# Altium PCB Stabilizer_Pounder.PcbDoc (part 4 of 7)
Units mm, origin at the board's own origin, x right, y up, seen from the top; angles counter-clockwise.
Board outline 113.55 x 100 mm, 4 copper layers (Top, P2, L3, Bottom Layer), stack 1.579 mm thick; 591 components, 344 nets, 1737 pads, 984 vias.
Unrouted connection lines stored in the file: 2.
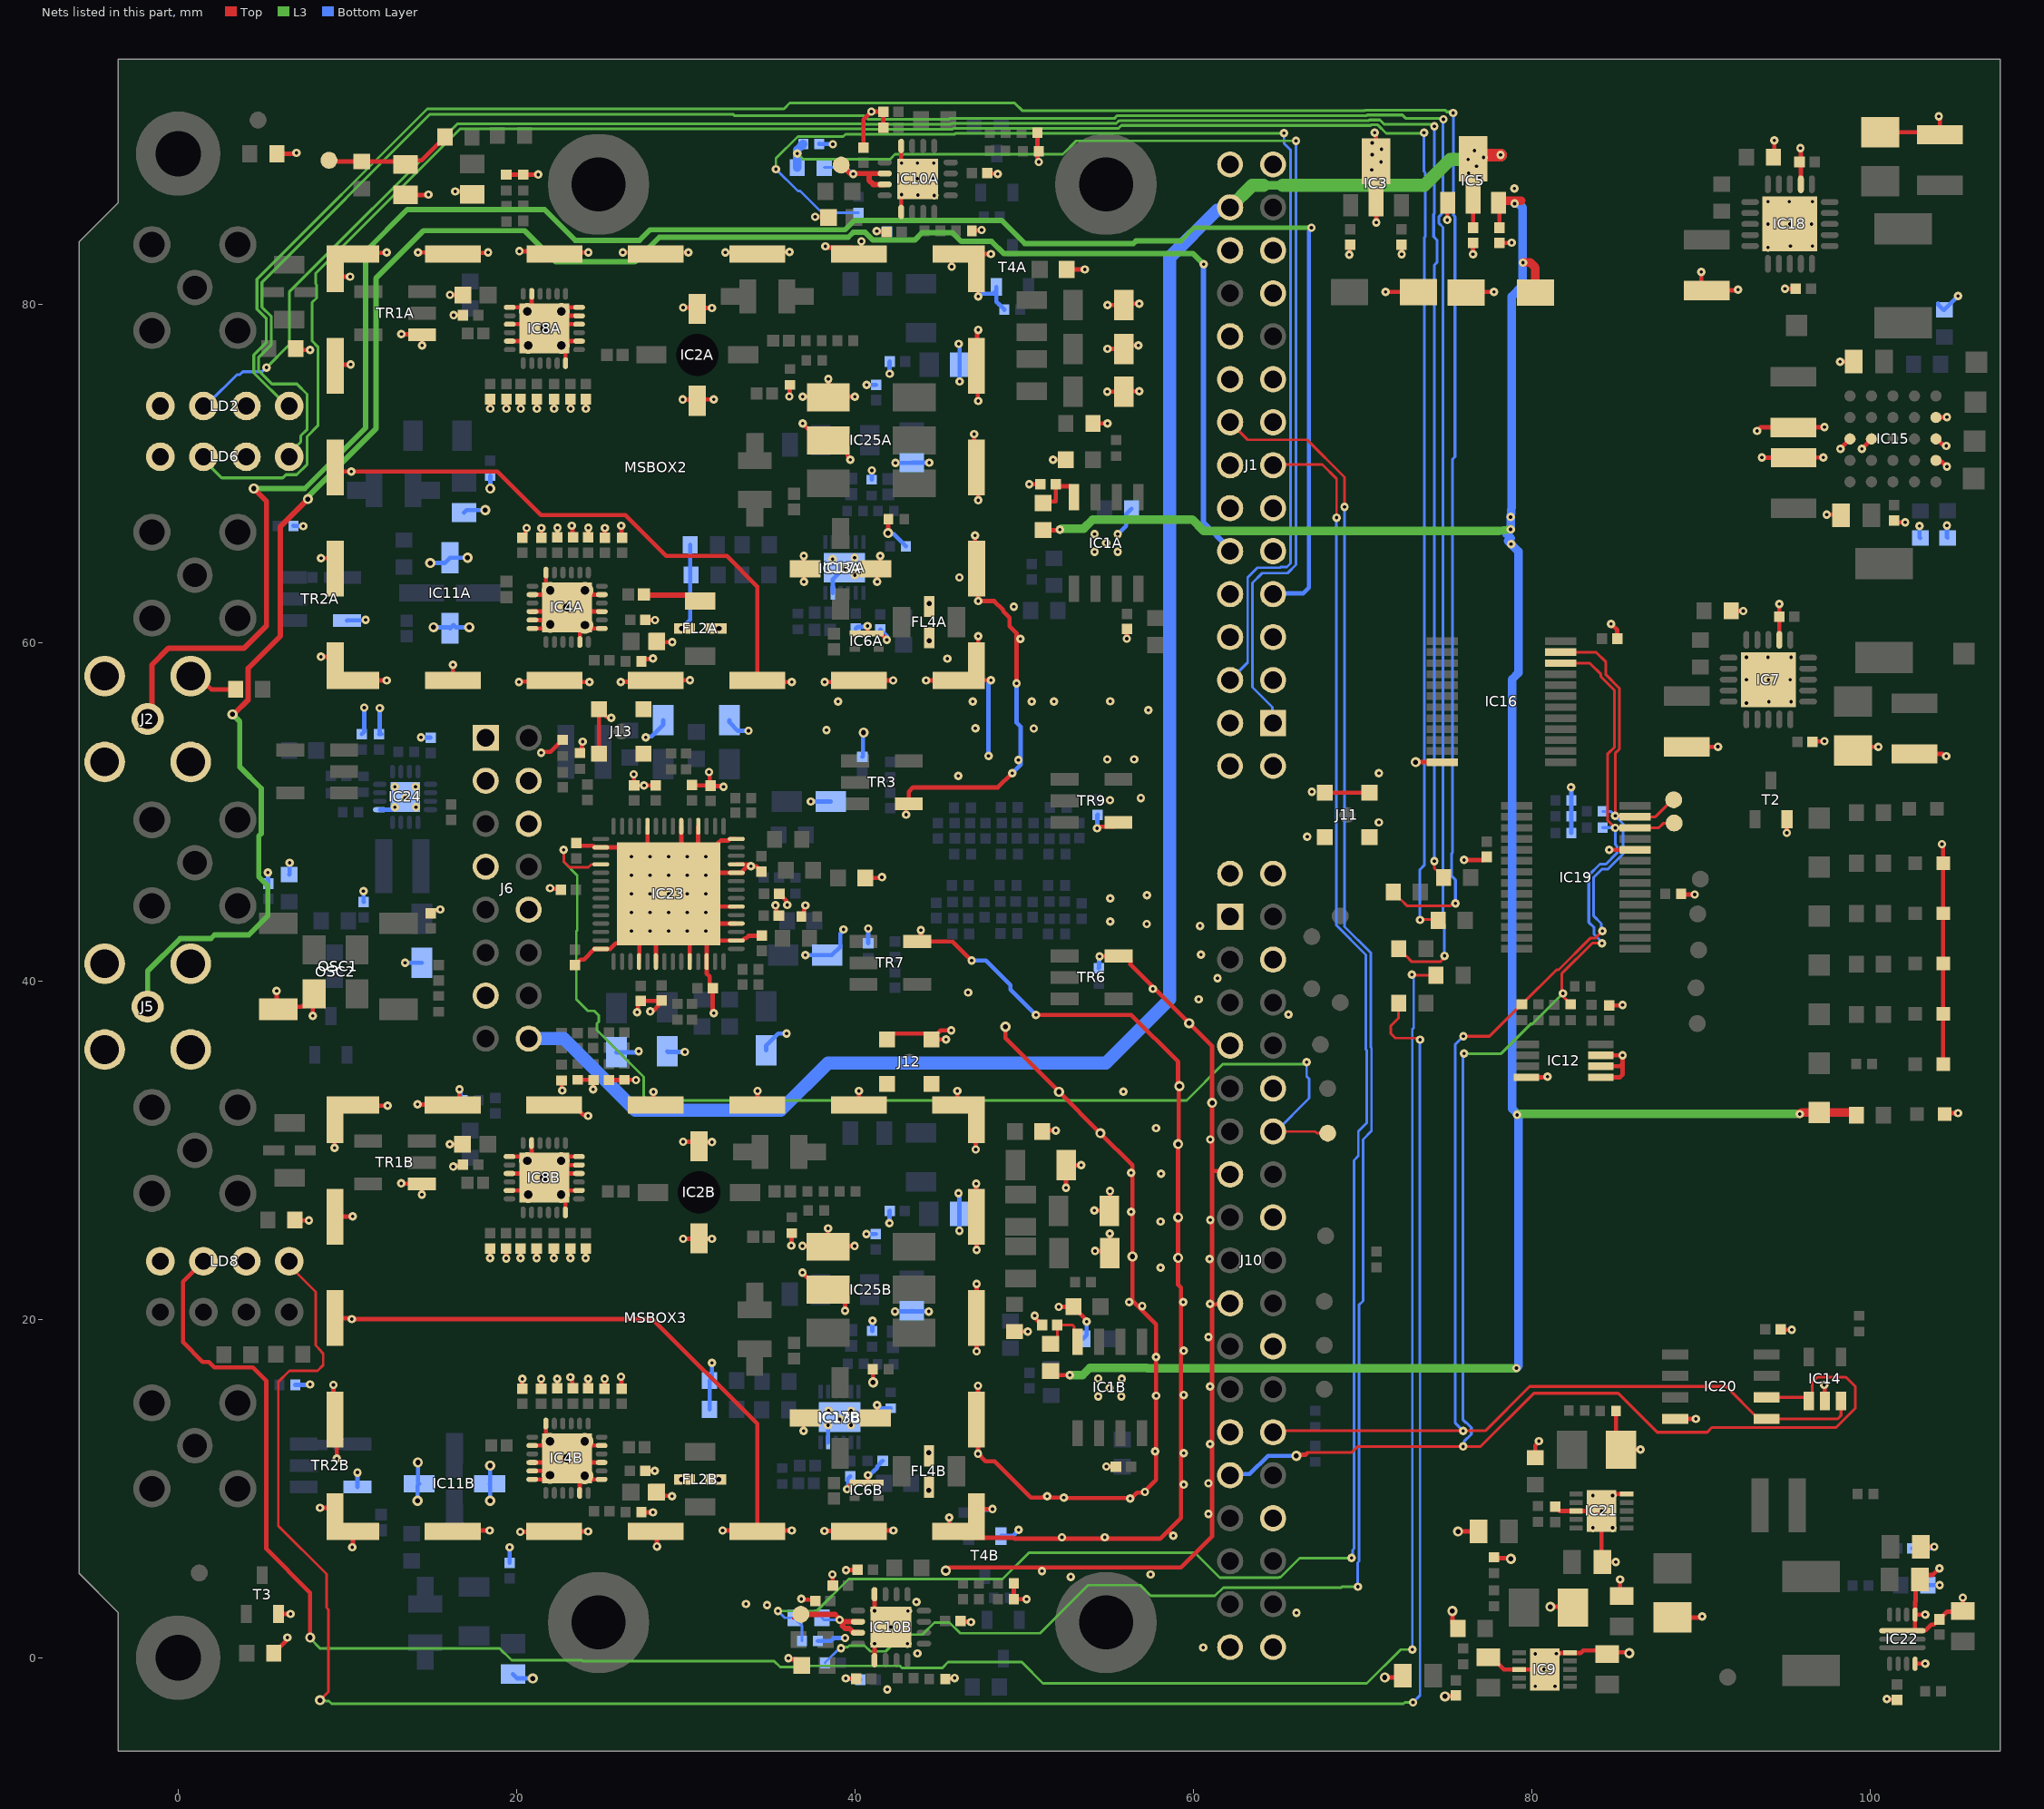
[diagram p6: the nets of this part, all layers, seen from the top]

## Via types
v1: diameter 0.5, hole 0.2, Top to Bottom Layer, tented both sides, 847 vias
v2: diameter 0.6, hole 0.3, Top to Bottom Layer, tented both sides, 113 vias
v3: diameter 1, hole 0.5, Top to Bottom Layer, tented both sides, 24 vias

## Nets (pads, with @x,y where several pads share a name; then routed paths per layer and width w, separated by ;. In a path a pad name is that pad's centre, name@x,y a point inside that pad or via, vN(x,y) a via of type N, cw(c..) or ccw(c..) an arc to the next point about the centre after c; other vN are vias at no path point) (continued)
GND: C7.1 C9.1 C10.1 C14A.1 C14B.1 C15A.1 C15B.1 C16A.1 C16B.1 C17A.1 C17B.1 C18A.1 C18B.1 C19A.1 C19B.1 C20A.1 C20B.1 C21A.1 C21B.1 C22.2 C23A.1 C23B.1 C24.2 C27A.1 C27B.1 C28A.1 C28B.1 C31A.1 C31B.1 C32A.1 C32B.1 C33.1 C34.1 C35.1 C37A.1 C37B.1 C38A.1 C38B.1 C39A.1 C39B.1 C40A.1 C40B.1 C41A.1 C41B.1 C44.2 C45.1 C46.1 C47.1 C48.1 C49.1 C50.1 C51.1 C52.1 C53.1 C54.1 C55.2 C56.1 C57.1 C58.1 C59.1 C60A.1 C60B.1 C61.1 C62A.1 C62B.1 C63.2 C64.1 C65A.1 C65B.1 C67.1 C68.2 C69.2 C70.1 C71A.1 C71B.1 C72A.1 C72B.1 C73.1 C74.2 C75.1 C76.2 C77.1 C78.1 C79.1 C80.1 C81.1 C83.1 C84.1 C85.1 C87.1 C88A.1 C88B.1 C89A.1 C89B.1 C90A.1 C90B.1 C91A.1 C91B.1 C92.2 C93A.1 C93B.1 C94A.1 C94B.1 C95A.2 C95B.2 C96A.1 C96B.1 C97A.1 C97B.1 C98A.1 C98B.1 C99A.1 C99B.1 C100A.1 C100B.1 C101.1 C102.1 C104A.1 C104B.1 C106.2 C107.2 C108.2 C109A.1 C109B.1 C112.1 C113.1 C115A.1 C115B.1 C117.1 C118.1 C122.2 C123.1 C131.1 C132.1 C138A.1 C138B.1 C139.2 C140A.1 C140B.1 C145.1 C146.1 C155.1 C156.2 C161.1 C163.1 C167.2 C168.1 C169.1 C174.2 C177.1 C178.1 C179.1 C181.1 C182.1 C211.1 D1.2 D2.1 FL2A.2 FL2A.4 FL2B.2 FL2B.4 FL4A.2 FL4A.4 FL4B.2 FL4B.4 IC2A.2 IC2A.4 IC2B.2 IC2B.4 IC3.2 IC4A.1 IC4A.3 IC4A.5 IC4A.12 IC4A.14 IC4A.16 IC4A.17 IC4A.18 IC4A.23 IC4A.25 IC4B.1 IC4B.3 IC4B.5 IC4B.12 IC4B.14 IC4B.16 IC4B.17 IC4B.18 IC4B.23 IC4B.25 IC5.1 IC6A.3 IC6B.3 IC7.12 IC7.21 IC8A.1 IC8A.3 IC8A.5 IC8A.12 IC8A.14 IC8A.16 IC8A.17 IC8A.18 IC8A.23 IC8A.25 IC8B.1 IC8B.3 IC8B.5 IC8B.12 IC8B.14 IC8B.16 IC8B.17 IC8B.18 IC8B.23 IC8B.25 IC9.5 IC9.8 IC9.11 IC10A.4 IC10A.9 IC10A.17 IC10B.4 IC10B.9 IC10B.17 IC11A.2 IC11A.4 IC11B.2 IC11B.4 IC12.4 IC12.5 IC12.6 IC12.7 IC13A.2 IC13A.4 IC13B.2 IC13B.4 IC14.2 IC15.B5 IC15.C1 IC15.C2 IC15.C5 IC15.D5 IC16.12 IC17A.5 IC17A.13 IC17B.5 IC17B.13 IC18.12 IC18.21 IC19.10 IC20.4 IC21.5 IC21.8 IC21.11 IC22.3 IC22.4 IC22.11 IC23.4 IC23.6 IC23.10 IC23.12 IC23.16 IC23.18 IC23.20 IC23.24 IC23.25 IC23.28 IC23.32 IC23.34 IC23.38 IC23.44 IC23.56 IC23.57 IC24.1 IC24.17 IC25A.4 IC25A.5 IC25B.4 IC25B.5 J1.2 J1.3 J1.5 J1.6 J1.8 J1.9 J1.11 J1.12 J1.14 J1.15 J1.17 J1.18 J1.20 J1.21 J1.23 J1.24 J2.2 J5.2 J6.1 J6.3 J6.4 J6.6 J6.7 J6.10 J6.13 J10.1 J10.4 J10.7 J10.10 J10.13 J10.16 J10.19 J10.22 J10.25 J10.30 J11.2 J12.2 J13.2 LD1.2 LD2.1 LD2.3 LD3.1 LD4.1 LD5.1 LD6.1 LD6.3 LD8.1 LD8.3 LD9.1 LD10.1 MSBOX2.1 MSBOX2.2 MSBOX2.3 MSBOX2.4 MSBOX2.5 MSBOX2.6 MSBOX2.7 MSBOX2.8 MSBOX2.9 MSBOX2.10 MSBOX2.11 MSBOX2.12 MSBOX2.13 MSBOX2.14 MSBOX2.15 MSBOX2.16 MSBOX2.17 MSBOX2.18 MSBOX2.19 MSBOX2.20 MSBOX3.1 MSBOX3.2 MSBOX3.3 MSBOX3.4 MSBOX3.5 MSBOX3.6 MSBOX3.7 MSBOX3.8 MSBOX3.9 MSBOX3.10 MSBOX3.11 MSBOX3.12 MSBOX3.13 MSBOX3.14 MSBOX3.15 MSBOX3.16 MSBOX3.17 MSBOX3.18 MSBOX3.19 MSBOX3.20 OSC1.2 OSC2.2 pad.2 R7A.1 R7B.1 R9A.1 R9B.1 R14A.1 R14B.1 R16A.2 R16B.2 R18.2 R19A.1 R19B.1 R22A.1 R22B.1 R27.2 R30.2 R39.2 R40.1 R43.1 R44.1 R46.1 R47.1 R48.1 R50.2 R51.2 R52.2 R54.2 R55.2 R56.2 R57.2 R61A.1 R61B.1 R62A.1 R62B.1 R66A.1 R66B.1 R67.2 R68.2 R69.2 R74A.2 R74B.2 R79.1 R80.1 R81.2 R82.2 R87.2 R91A.2 R91B.2 R94A.1 R94B.1 R97A.1 R97B.1 R99A.1 R99B.1 R101A.2 R101B.2 R103A.1 R103B.1 R130.1 R135.1 R136.1 R168.1 T2.2 T3.2 T4A.2 T4B.2 TR1A.3 TR1B.3 TR2A.4 TR2B.4 TR3.6 TR6.4 TR7.4 TR9.6 | length 864.1
  Top w0.254: J2.2@0.869,57.863 1.331,57.863 1.956,57.238 R67.2@3.394,57.238 ; R44.1@5.65,0.278 5.65,0.328 5.973,0.651 6.023,0.651 6.405,1.032 6.405,1.147 v1(6.452,1.194) ; v1(5.817,39.421) 5.817,38.417 OSC1.2@5.904,38.329 ; R43.1@5.829,88.9 6.868,88.9 6.918,88.951 v1(6.985,88.951) ; T3.2@5.919,2.588 v1(6.644,2.588) ; OSC1.2@6.096,38.049 6.527,38.48 7.276,38.48 7.311,38.515 7.486,38.515 OSC2.2@7.95,38.979 ; R68.2@6.896,25.868 6.921,25.843 v1(7.721,25.843) ; R69.2@6.952,77.388 7.035,77.305 v1(7.793,77.305) ; v1(7.95,37.947) OSC2.2@7.95,38.979 ; OSC2.2@8.034,39.238 7.95,39.154 OSC2.2@7.95,38.979 ; v1(8.382,8.864) 9.258,8.864 MSBOX3.1@9.274,8.848 ; v1(8.434,59.168) 9.259,59.168 MSBOX2.1@9.284,59.143 ; v1(8.444,64.988) 8.911,64.988 9.284,64.615 MSBOX2.20@9.284,64.368 ; v1(9.169,16.129) 9.169,14.036 9.373,13.832 v1(9.373,11.777) ; v1(9.24,30.145) 9.24,31.332 MSBOX3.17@9.274,31.298 ; MSBOX3.19@9.274,20.073 10.137,20.073 10.195,20.015 v1(10.262,20.015) 28.043,20.015 34.224,13.834 MSBOX3.5@34.224,7.473 ; MSBOX3.18@9.274,26.073 10.3,26.073 v1(10.312,26.086) ; MSBOX2.19@9.284,70.368 9.534,70.118 v1(10.234,70.118) 18.865,70.118 21.444,67.539 26.439,67.539 28.85,65.128 32.419,65.128 34.234,63.313 MSBOX2.5@34.234,57.768 34.334,57.668 v1(36.264,57.668) ; MSBOX2.18@9.284,76.368 9.35,76.434 10.19,76.434 v1(10.194,76.438) ; MSBOX2.17@9.284,81.593 9.32,81.629 v1(10.159,81.629) ; v1(10.287,6.528) 10.324,6.565 MSBOX3.1@10.324,7.473 ; MSBOX3.17@10.324,32.673 10.358,32.639 v1(12.37,32.639) ; MSBOX2.1@10.334,57.768 v1(12.324,57.768) ; MSBOX2.17@10.334,82.968 10.4,83.034 12.29,83.034 v1(12.324,83.068) ; v1(13.179,28.04) 13.196,28.022 14.387,28.022 TR1B.3@14.404,28.005 v1(14.404,27.37) ; v1(13.189,78.238) 13.206,78.221 14.397,78.221 TR1A.3@14.414,78.204 v1(14.414,77.569) ; C85.1@13.437,86.463 14.76,86.463 v1(14.784,86.487) ; v1(14.148,32.715) 14.168,32.695 16.202,32.695 MSBOX3.16@16.224,32.673 16.254,32.673 16.627,33.046 v1(16.627,33.596) ; v1(14.169,83.068) 14.178,83.059 16.143,83.059 MSBOX2.16@16.234,82.968 16.305,83.039 18.29,83.039 v1(18.319,83.068) ; C102.1@14.914,44.008 15.09,44.184 15.447,44.184 v1(15.494,44.231) ; v1(16.054,30.359) 16.804,30.359 C88B.1@16.809,30.354 ; v1(16.064,80.558) 16.814,80.558 C88A.1@16.819,80.553 ; MSBOX3.2@16.224,7.473 16.593,7.473 16.878,7.188 17.208,7.518 v1(18.409,7.518) ; MSBOX2.2@16.234,57.768 v1(16.234,58.688) ; v1(16.256,29.032) 16.303,29.079 16.754,29.079 C89B.1@16.829,29.154 ; v1(16.274,79.358) 16.276,79.355 16.836,79.355 C89A.1@16.839,79.353 ; v1(16.37,86.667) 17.548,86.667 C84.1@17.369,86.488 ; v1(18.434,23.629) C37B.1@18.433,24.194 ; v1(18.444,73.828) C37A.1@18.443,74.393 ; v1(19.384,23.604) C38B.1@19.383,24.194 ; R74A.2@19.389,87.669 v1(21.284,87.669) ; v1(19.394,73.828) C38A.1@19.393,74.393 ; IC8B.5@19.583,27.624 20.883,27.624 v3(21.633,28.374) ; IC8B.3@19.583,28.624 IC8B.25@21.383,28.624 ; IC8B.1@19.583,29.624 20.383,29.624 v3(20.633,29.374) IC8B.25@20.883,29.124 ; IC8A.5@19.593,77.822 20.893,77.822 v3(21.643,78.572) ; IC8A.3@19.593,78.822 IC8A.25@21.393,78.822 ; IC8A.1@19.593,79.822 20.393,79.822 v3(20.643,79.572) IC8A.25@20.893,79.322 ; v1(20.143,57.668) 20.178,57.702 22.168,57.702 MSBOX2.3@22.234,57.768 22.334,57.668 v1(24.314,57.668) ; v1(20.169,83.138) 22.064,83.138 MSBOX2.15@22.234,82.968 22.334,83.068 v1(24.239,83.068) ; v1(20.218,7.442) 22.193,7.442 MSBOX3.3@22.224,7.473 22.23,7.467 v1(24.232,7.467) ; v1(20.234,23.629) C39B.1@20.233,24.194 ; v1(20.244,73.828) C39A.1@20.243,74.393 ; C20B.1@20.329,15.913 20.331,15.915 20.331,16.48 v1(20.334,16.483) ; C20A.1@20.339,66.208 20.522,66.391 20.522,66.635 20.599,66.711 v1(20.599,66.778) ; IC8B.23@20.883,30.424 IC8B.25@20.883,29.124 ; IC8A.23@20.893,80.622 IC8A.25@20.893,79.322 ; IC4B.18@20.929,10.543 21.729,10.543 v3(21.979,10.793) IC4B.25@22.229,11.043 ; IC4B.17@20.929,11.043 IC4B.25@22.229,11.043 ; IC4B.16@20.929,11.543 IC4B.25@22.729,11.543 ; IC4B.14@20.929,12.543 IC4B.25@22.229,12.543 ; IC4A.18@20.939,60.838 21.739,60.838 v3(21.989,61.088) IC4A.25@22.239,61.338 ; IC4A.17@20.939,61.338 IC4A.25@22.239,61.338 ; IC4A.16@20.939,61.838 IC4A.25@22.739,61.838 ; IC4A.14@20.939,62.838 IC4A.25@22.239,62.838 ; v1(21.184,23.629) C40B.1@21.183,24.194 ; v1(21.194,73.828) C40A.1@21.193,74.393 ; C19B.1@21.454,15.913 v1(21.454,16.483) ; v1(21.455,53.496) 21.502,53.543 21.994,53.543 22.699,54.248 R57.2@22.719,54.248 ; C19A.1@21.464,66.208 v1(21.464,66.778) ; IC4B.12@21.729,13.843 21.729,13.043 v3(21.979,12.793) IC4B.25@22.229,12.543 ; IC4A.12@21.739,64.138 21.739,63.338 v3(21.989,63.088) IC4A.25@22.239,62.838 ; v1(21.984,45.488) 22.029,45.443 22.569,45.443 C56.1@22.614,45.398 ; v1(22.204,23.629) C41B.1@22.204,24.194 ; v1(22.214,73.828) C41A.1@22.214,74.393 ; MSBOX3.15@22.224,32.673 23.374,32.673 23.971,32.076 24.185,32.076 v1(24.232,32.029) ; C18B.1@22.404,15.928 v1(22.404,16.493) ; C18A.1@22.414,66.223 v1@22.414,66.788 ; R54.2@22.659,34.123 22.679,34.103 22.679,33.552 v1(22.699,33.532) ; IC8B.12@22.883,26.324 22.883,27.124 v3(22.633,27.374) IC8B.25@22.383,27.624 ; IC8A.12@22.893,76.522 22.893,77.322 v3(22.643,77.572) IC8A.25@22.393,77.822 ; v1(23.184,23.629) C71B.1@23.183,24.194 ; v1(23.184,16.581) 23.281,16.581 23.289,16.573 23.289,15.968 C17B.1@23.329,15.928 ; v1(23.194,73.828) C71A.1@23.193,74.393 ; v1(23.259,66.908) 23.299,66.868 23.299,66.263 C17A.1@23.339,66.223 ; C57.1@23.458,40.948 23.769,41.259 23.974,41.259 24.613,41.898 IC23.56@24.984,41.898 25.537,41.898 25.864,42.225 26.061,42.225 v1(26.784,42.948) v1(27.884,44.048) IC23.57@28.234,44.398 ; C58.1@23.534,48.152 23.693,47.994 24.517,47.994 24.613,47.898 IC23.44@24.984,47.898 26.295,47.898 26.43,47.763 26.43,47.702 v1(26.784,47.348) v1(27.884,46.248) v1(28.984,45.148) ; R52.2@23.602,34.159 24.525,34.159 R51.2@24.542,34.142 24.53,34.129 24.53,33.608 v1(24.517,33.596) ; IC8B.14@23.683,27.624 IC8B.25@22.383,27.624 ; IC8B.16@23.683,28.624 IC8B.25@21.883,28.624 ; IC8B.17@23.683,29.124 IC8B.25@22.383,29.124 ; IC8B.18@23.683,29.624 22.883,29.624 v3(22.633,29.374) IC8B.25@22.383,29.124 ; IC8A.14@23.693,77.822 IC8A.25@22.393,77.822 ; IC8A.16@23.693,78.822 IC8A.25@21.893,78.822 ; IC8A.17@23.693,79.322 IC8A.25@22.393,79.322 ; IC8A.18@23.693,79.822 22.893,79.822 v3(22.643,79.572) IC8A.25@22.393,79.322 ; IC4B.23@23.729,9.743 IC4B.25@23.729,11.043 ; IC4A.23@23.739,60.038 IC4A.25@23.739,61.338 ; R56.2@23.744,53.478 23.863,53.597 23.863,54.1 v1(23.91,54.147) ; v1@24.084,23.63 C72B.1@24.083,24.194 ; v1@24.094,73.828 C72A.1@24.093,74.393 ; C16B.1@24.229,15.928 24.231,15.93 24.231,16.49 v1(24.234,16.493) ; C16A.1@24.239,66.223 24.241,66.225 24.241,66.785 v1(24.244,66.788) ; J13.2@24.867,53.433 J13.2@24.867,56.073 25.331,55.609 25.552,55.609 v1(25.599,55.562) ; IC4B.1@25.029,10.543 24.229,10.543 v3(24.024,10.748) IC4B.25@23.729,11.043 ; IC4B.3@25.029,11.543 IC4B.25@23.229,11.543 ; IC4B.5@25.029,12.543 23.729,12.543 v3(22.979,11.793) ; IC4A.1@25.039,60.838 24.239,60.838 v3(24.034,61.043) IC4A.25@23.739,61.338 ; IC4A.3@25.039,61.838 IC4A.25@23.239,61.838 ; IC4A.5@25.039,62.838 23.739,62.838 v3(22.989,62.088) ; C15B.1@25.199,15.913 25.201,15.915 25.201,16.48 v1(25.204,16.483) ; C15A.1@25.209,66.208 25.211,66.21 25.211,66.775 v1(25.214,66.778) ; R50.2@25.451,34.148 26.384,34.148 26.391,34.155 27.048,34.155 v1(27.055,34.148) ; v1(26.164,57.668) 26.178,57.682 28.148,57.682 MSBOX2.4@28.234,57.768 28.254,57.788 v1(30.244,57.788) ; v1(26.168,16.613) 26.193,16.587 26.193,15.939 C14B.1@26.219,15.913 ; v1(26.178,66.908) 26.203,66.882 26.203,66.234 C14A.1@26.229,66.208 ; v1(26.279,83.068) 28.134,83.068 MSBOX2.14@28.234,82.968 28.334,83.068 v1(30.157,83.068) ; v1(26.925,52.217) 26.937,52.205 26.937,51.578 C47.1@26.95,51.566 ; v1(27.127,38.151) 27.174,38.198 27.174,38.662 27.343,38.831 28.562,38.831 C51.1@28.575,38.844 28.392,38.661 28.392,38.552 28.089,38.248 27.954,38.248 v1(27.907,38.201) ; IC23.4@27.234,41.148 27.232,41.15 27.232,41.527 27.264,41.559 27.264,42.648 IC23.57@28.234,43.618 ; R16B.2@27.374,8.598 v1(28.059,8.598) ; R16A.2@27.384,58.893 27.519,59.028 28.022,59.028 v1(28.069,59.075) ; v1(27.534,51.562) 27.534,51.566 C112.1@28.231,51.566 ; C23B.1@27.604,11.043 v1(28.174,11.043) ; C23A.1@27.614,61.338 v1(28.184,61.338) ; IC23.57@27.711,47.803 27.734,47.825 IC23.38@27.734,49.148 ; v1(28.092,33.452) 28.092,32.805 MSBOX3.14@28.224,32.673 ; MSBOX3.4@28.224,7.473 28.296,7.401 v1(28.296,6.578) ; IC23.6@28.234,41.148 IC23.57@28.234,43.618 ; C21B.1@28.259,9.783 28.47,9.572 29.165,9.572 v1(29.194,9.543) ; C21A.1@28.269,60.078 28.319,60.028 v1(29.204,60.028) ; IC23.57@28.824,44.208 IC23.57@28.234,43.618 ; v1(28.984,46.248) 28.984,46.321 IC23.57@29.809,47.146 ; IC23.34@29.734,49.148 29.734,48.213 29.809,48.138 IC23.57@29.809,47.146 ; v1(29.82,74.371) 30.682,74.371 30.683,74.372 v1(31.659,74.372) ; v1(29.845,24.765) v1(31.545,24.765) ; v1(29.845,30.505) 30.402,30.505 30.679,30.228 30.679,30.145 31.014,30.48 v1(31.547,30.48) ; v1(29.845,79.807) 30.658,79.807 30.683,79.781 v1(31.547,79.781) ; IC23.57@30.047,47.384 30.734,48.071 IC23.32@30.734,49.148 ; v1(30.084,45.148) v1(31.184,46.248) 31.334,46.398 33.355,46.398 33.357,46.4 33.357,46.486 v1@33.769,46.898 ; v1(30.084,46.248) v1(31.184,47.348) 31.907,48.071 31.907,48.154 32.056,48.302 32.516,48.302 ; IC23.10@30.234,41.148 IC23.57@30.234,43.898 ; C46.1@30.359,51.578 30.374,51.563 31.28,51.563 C45.1@31.359,51.484 ; v1(31.37,52.348) 31.415,52.303 31.415,51.592 C45.1@31.459,51.548 31.459,51.384 31.591,51.516 32.195,51.516 v1(32.227,51.484) ; C53.1@31.59,39.573 31.59,38.234 31.65,38.175 v1(31.65,38.108) ; C53.1@31.623,39.624 31.54,39.624 31.407,39.756 31.407,40.264 31.236,40.435 31.236,41.146 IC23.12@31.234,41.148 IC23.57@31.234,42.898 ; v1(32.182,7.518) 34.179,7.518 MSBOX3.5@34.224,7.473 ; v1(32.334,83.068) 34.134,83.068 MSBOX2.13@34.234,82.968 34.359,83.093 v1(36.134,83.093) ; 32.517,48.302 32.613,48.398 IC23.28@32.984,48.398 ; IC23.18@32.984,43.398 31.709,43.398 IC23.57@30.709,44.398 ; IC23.20@32.984,44.398 IC23.57@30.709,44.398 ; IC23.25@32.984,46.898 33.854,46.898 v1(33.854,46.788) ; v1@33.984,46.779 34.168,46.779 C10.1@34.479,46.468 ; MSBOX3.13@34.224,32.673 34.239,32.688 v1(34.239,33.501) ; C52.1@34.493,42.69 34.475,42.672 33.708,42.672 33.555,42.519 33.476,42.519 33.355,42.398 31.734,42.398 IC23.57@31.234,42.898 ; v1(35.306,44.475) 35.353,44.428 35.353,44.02 35.35,44.017 C54.1@35.502,43.866 ; C9.1@35.527,45.161 35.945,44.744 35.945,44.548 v1(35.992,44.501) ; v1(36.068,-0.026) 36.135,-0.026 36.198,-0.089 36.491,-0.089 C97B.1@36.864,-0.462 ; v1(36.119,74.549) 36.144,74.574 36.144,75.209 R99A.1@36.17,75.234 ; v1(36.246,24.358) 36.258,24.371 36.258,25.082 R99B.1@36.271,25.095 ; v1(36.271,7.518) 34.269,7.518 MSBOX3.5@34.224,7.473 ; v1(36.83,3.48) 36.877,3.433 37.57,3.433 C96B.1@37.65,3.353 ; R30.2@36.829,43.808 36.992,43.971 36.992,44.228 37.027,44.263 37.027,44.421 v1(37.074,44.468) ; v1(36.894,22.759) 37.894,21.759 38.859,21.759 39.412,21.206 v1(39.412,20.513) ; v1(36.894,24.339) 38.374,24.339 IC25B.4@38.414,24.299 ; v1(36.904,72.958) 37.904,71.958 IC25A.5@38.424,71.958 38.869,71.958 39.567,71.26 39.567,71.032 39.724,70.875 v1(39.724,70.808) ; v1(36.904,74.538) 38.384,74.538 IC25A.4@38.424,74.498 ; v1(36.963,13.409) 36.963,14.084 IC13B.4@37.049,14.169 ; v1(36.973,65.128) 36.973,64.454 IC13A.4@37.059,64.368 36.982,64.291 v1(36.982,63.599) ; v1(37.643,85.166) 38.416,85.166 C97A.1@38.444,85.138 ; v1(38.202,7.493) 40.204,7.493 MSBOX3.6@40.224,7.473 40.269,7.518 v1(42.266,7.518) ; v1(38.209,57.668) 40.134,57.668 MSBOX2.6@40.234,57.768 v1(42.259,57.768) ; v1(38.254,83.425) 38.321,83.425 38.405,83.341 39.861,83.341 MSBOX2.12@40.234,82.968 40.386,83.12 v1(40.386,83.718) ; v1(38.414,25.379) IC25B.4@38.414,24.299 ; v1(38.424,75.578) IC25A.4@38.424,74.498 ; v1(38.669,4.921) 38.68,4.909 38.68,4.278 C99B.1@38.691,4.267 ; v1(39.457,-1.22) 39.469,-1.233 40.051,-1.233 C100B.1@40.063,-1.245 ; v1(39.472,5.181) 39.484,5.194 40.076,5.194 C104B.1@40.088,5.182 ; v1(39.538,9.962) 39.538,10.018 39.859,10.339 IC6B.3@40.684,10.339 ; v1(39.984,24.339) 38.454,24.339 IC25B.4@38.414,24.299 ; v1(39.994,74.538) 38.464,74.538 IC25A.4@38.424,74.498 ; MSBOX3.12@40.224,32.673 40.234,32.683 v1(40.234,33.501) ; C96A.1@40.504,89.268 40.505,89.269 40.505,90.924 v1(40.97,91.389) ; C44.2@40.604,46.098 41.554,46.098 v1(41.594,46.138) ; v1(40.742,60.985) 40.742,60.586 IC6A.3@40.694,60.538 41.519,60.538 41.884,60.173 v1(41.887,60.173) ; IC6B.3@40.744,10.339 40.767,10.362 v1(40.767,10.795) ; v1(40.97,91.389) C99A.1@41.674,91.388 ; R91B.2@41.059,17.043 41.065,17.037 41.065,16.288 v2(41.072,16.281) ; IC10B.9@41.154,-0.142 v1(41.154,0.833) 41.154,1.584 IC10B.17@41.168,1.598 ; IC10B.4@41.154,3.758 v1(41.154,2.783) 41.154,2.501 IC10B.17@41.27,2.385 ; IC13B.2@41.219,14.169 41.305,14.255 v1(41.305,14.929) ; v1(41.288,84.329) 41.315,84.303 41.84,84.303 C100A.1@41.866,84.277 ; v1(41.315,63.599) 41.315,64.282 IC13A.2@41.229,64.368 41.497,64.636 v1(41.497,65.128) ; C104A.1@41.674,90.438 C99A.1@41.674,91.388 ; J12.2@41.885,36.55 42.228,36.893 44.868,36.893 45.06,37.084 v1(45.695,37.084) ; v2(41.96,66.474) 41.967,66.481 41.967,67.303 R91A.2@41.973,67.31 ; IC10A.9@42.734,85.458 42.734,87.184 IC10A.17@42.748,87.198 ; IC10A.4@42.734,89.358 42.734,88.101 IC10A.17@42.85,87.985 ; v1(43.028,49.835) 43.028,50.314 TR3.6@43.184,50.471 43.184,51.189 43.438,51.443 48.449,51.443 v1(49.294,52.288) ; v1(43.891,43.002) 43.891,42.555 TR7.4@43.678,42.342 45.763,42.342 v1(46.894,41.21) ; v1(44.209,57.768) MSBOX2.7@46.134,57.768 46.154,57.788 v1(48.034,57.788) ; J12.2@44.525,36.55 v1(45.376,36.55) ; R14B.1@45.334,-1.262 45.367,-1.229 45.86,-1.229 v1(45.893,-1.196) ; v2(45.367,5.154) 45.367,5.172 45.537,5.342 59.274,5.342 61.112,7.181 v1@61.112,20.828 ; v1(45.573,8.28) 45.573,7.846 45.946,7.473 MSBOX3.7@46.124,7.473 46.497,7.1 49.364,7.1 49.428,7.036 58.041,7.036 58.522,7.516 ; v1(45.72,82.218) 45.72,82.595 46.093,82.968 v1(48.034,82.968) ; v1(46.05,33.501) 46.05,32.747 MSBOX3.11@46.124,32.673 ; C95B.2@46.234,2.168 46.265,2.137 46.827,2.137 v1(46.858,2.106) ; R14A.1@46.914,84.338 46.94,84.364 47.461,84.364 v1(47.487,84.39) ; v1(47.044,72.328) 47.044,70.508 MSBOX2.9@47.184,70.368 47.284,70.268 v1(47.284,68.418) ; v1(47.094,66.331) 47.094,64.465 MSBOX2.8@47.191,64.368 47.284,64.275 v1(47.284,62.459) 48.232,62.459 48.756,61.935 48.756,61.859 49.139,61.476 49.139,60.969 49.547,60.561 v1(49.547,57.591) ; v1(47.142,30.048) 47.142,31.266 MSBOX3.11@47.174,31.298 ; v1(47.168,28.016) 47.168,26.079 MSBOX3.10@47.174,26.073 47.193,26.054 v1(47.193,24.104) ; MSBOX3.7@47.177,8.848 47.237,8.788 v1(48.133,8.788) ; MSBOX2.11@47.184,81.593 47.284,81.493 v1(47.284,80.468) ; MSBOX2.7@47.187,59.143 47.284,59.24 v1(47.284,60.388) ; v1(47.193,18.11) 47.193,20.054 MSBOX3.9@47.174,20.073 47.193,20.092 v1(47.193,22.098) ; v1(47.274,16.074) 47.274,14.166 MSBOX3.8@47.181,14.073 47.274,13.98 v1(47.274,12.059) 47.728,11.605 48.264,11.605 50.404,9.465 51.096,9.465 51.137,9.507 51.317,9.507 51.358,9.465 51.399,9.507 51.579,9.507 51.62,9.465 v1(52.346,9.465) 52.369,9.442 56.249,9.442 v1(56.272,9.419) ; v1(47.284,74.288) 47.26,74.312 47.26,76.292 MSBOX2.10@47.184,76.368 47.22,76.404 47.22,78.358 47.284,78.422 v1(47.284,78.488) ; C95A.2@47.814,87.768 47.845,87.737 48.407,87.737 v1(48.438,87.706) ; v2(48.895,37.302) 48.895,36.617 v2(52.061,33.451) v2(54.508,31.004) 56.402,29.111 v2(56.402,23.716) 56.402,21.116 57.802,19.716 57.802,10.518 57.04,9.756 56.675,9.756 56.294,9.375 v1@56.272,9.375 ; R66B.1@49.389,4.392 R61B.1@49.389,3.463 v1(50.14,3.463) ; R62B.1@49.43,19.283 49.435,19.278 v1(50.216,19.278) ; v1(50.306,69.362) 50.308,69.364 C65A.1@50.967,69.365 C65A.1@50.967,69.365 ; v1(50.62,20.213) 50.667,20.166 50.667,20.062 C65B.1@51.061,19.668 ; v1(50.698,37.998) 56.331,37.998 59.102,35.228 v2@59.102,33.783 ; R66A.1@50.784,90.144 50.784,88.56 50.864,88.48 v1(50.864,88.413) ; C27B.1@51.063,31.108 51.121,31.166 v1(51.864,31.166) ; v1(51.714,70.808) C60A.1@52.464,70.808 ; v1(52.044,20.738) 52.828,20.738 52.878,20.788 C60B.1@52.917,20.749 52.917,20.724 53.645,19.997 53.645,19.923 v1(53.692,19.876) ; v1(52.478,27.78) C28B.1@52.478,29.108 53.354,29.108 v1(53.369,29.123) ; C27A.1@52.514,82.063 v1(53.587,82.063) ; R62A.1@54.064,72.958 v1(54.935,72.958) ; v1(54.148,26.438) 54.999,26.438 C31B.1@55.028,26.408 55.078,26.458 v1(55.078,27.584) ; v1(54.194,24.045) 54.936,24.045 C32B.1@55.061,23.92 v1(55.061,25.074) C32B.1@55.061,24.045 ; v1(54.31,49.028) 54.376,49.028 54.474,49.125 55.321,49.125 TR9.6@55.574,49.378 ; v1(54.458,41.453) 54.47,41.465 55.567,41.465 TR6.4@55.58,41.478 56.025,41.478 56.278,41.225 56.278,40.987 v2(59.758,37.507) 61.112,36.153 v2(61.112,32.8) 61.112,28.764 ; v1(54.858,11.303) 54.86,11.301 55.421,11.301 C62B.1@55.423,11.299 ; v1(54.91,74.828) C32A.1@55.89,74.828 55.918,74.856 v1(56.799,74.856) ; v1(54.935,77.364) C31A.1@55.89,77.364 56.095,77.569 v1(56.753,77.569) ; v1(54.935,79.959) C28A.1@55.89,79.959 55.962,80.031 v1(56.799,80.031) ; v1(56.064,60.238) 56.066,60.24 56.066,60.801 C62A.1@56.069,60.803 ; v1(58.82,7.217) 58.522,7.516 ; v2(59.177,33.783) 59.139,33.745 59.139,30.397 v2(59.102,30.359) v2(59.102,26.028) v2(59.102,23.634) 59.102,22.051 59.274,21.879 v1@59.274,21.102 ; v1(59.403,21.022) 59.354,21.022 v1@59.274,21.102 ; v1(60.579,0.609) v1@60.579,0.676 ; J10.19@62.174,20.948 62.108,20.882 61.167,20.882 v1@61.112,20.828 ; J10.13@62.174,28.568 61.978,28.764 61.112,28.764 ; J11.2@67.72,51.189 J11.2@67.771,51.138 J11.2@70.411,51.138 ; v1(69.215,82.931) 69.239,82.955 69.239,83.503 C33.1@69.264,83.527 ; v1@70.804,90.144 IC3.2@70.804,88.452 IC3.2@70.804,86.152 70.815,86.141 v1(70.815,84.836) ; v2(71.315,-1.162) 72.279,-1.162 C117.1@72.379,-1.062 ; v1(71.369,80.738) D1.2@72.969,80.738 ; C34.1@72.304,83.527 72.309,83.522 72.309,82.961 v1(72.314,82.956) ; v2(73.138,52.939) IC16.12@74.59,52.939 ; v2(74.88,-2.286) 74.906,-2.259 75.486,-2.259 C87.1@75.513,-2.233 ; v1(75.006,84.988) 75.006,85.969 IC5.1@75.039,86.002 ; v2(75.311,2.766) 75.321,2.756 75.321,2.054 R81.2@75.644,1.731 ; v2(75.646,7.464) C118.1@76.85,7.464 ; v1(76.008,47.157) 77.166,47.157 C113.1@77.347,47.338 ; D2.1@76.119,80.688 76.169,80.738 v1(77.769,80.738) ; v1(76.53,82.955) 76.53,83.618 C49.1@76.539,83.627 ; C79.1@77.444,0.039 77.619,0.039 78.352,-0.694 IC9.8@79.269,-0.694 IC9.11@80.721,-0.694 ; R79.1@77.775,5.938 77.82,5.893 78.726,5.893 v2(78.771,5.848) ; C35.1@78.099,83.627 78.106,83.634 78.806,83.634 v1(78.814,83.642) ; IC12.4@79.693,34.31 80.892,34.31 v1(80.931,34.349) ; R18.2@80.213,11.823 80.213,12.539 80.425,12.751 v1(80.425,12.801) ; v1(80.721,-0.686) 80.73,-0.694 IC9.11@80.769,-0.694 ; v2(81.102,3.013) 82.402,3.013 C92.2@82.444,2.971 ; C177.1@81.384,8.928 81.634,8.678 IC21.8@82.624,8.678 v1(84.124,8.678) ; v1(81.458,0.246) 80.769,-0.442 IC9.11@80.769,-0.694 ; C7.1@84.031,0.283 83.884,0.429 83.041,0.429 82.895,0.283 82.292,0.283 IC9.5@82.269,0.306 82.246,0.283 81.571,0.283 81.521,0.233 81.521,0.183 80.769,-0.569 IC9.11@80.769,-0.694 ; IC12.5@84.093,34.31 85.221,34.31 85.369,34.459 85.369,35.109 ; IC12.6@84.093,34.96 85.221,34.96 85.369,35.109 ; IC12.7@84.093,35.61 v1(85.369,35.61) 85.369,35.109 ; C7.1@84.455,0.325 85.714,0.325 v2(85.768,0.271) ; C48.1@84.58,38.563 85.35,38.563 v1(85.369,38.582) ; v1(84.58,47.753) IC19.10@86.117,47.753 ; v1(84.69,61.108) 84.77,61.028 85.053,60.745 C146.1@85.053,60.234 ; v1(84.974,5.658) C155.1@84.174,5.658 84.124,5.708 v1(84.124,8.678) ; R135.1@84.981,14.595 84.981,12.601 C174.2@85.279,12.303 v1(86.434,12.303) ; v1(85.219,4.629) 85.219,3.748 C132.1@85.309,3.658 ; IC21.5@85.624,9.678 84.872,9.678 v1(84.782,9.588) 84.124,8.93 v1(84.124,8.678) ; C156.2@88.324,2.378 89.947,2.378 90.007,2.439 v1(90.074,2.439) ; IC20.4@88.486,14.122 v1(89.703,14.122) ; R40.1@88.837,45.153 88.88,45.11 v1(89.637,45.11) ; C78.1@89.159,53.844 91.005,53.844 v1(91.009,53.848) ; v1(90.019,81.915) 90.019,81.154 C169.1@90.349,80.824 92.086,80.824 92.135,80.873 v1(92.202,80.873) ; R80.1@91.789,61.884 91.799,61.874 v1(92.507,61.874) ; v1(93.32,72.517) 93.527,72.724 C161.1@95.459,72.724 97.286,72.724 v1(97.307,72.745) ; v1(93.599,70.942) 